# Altium PCB Tfinal3.PcbDoc (part 2 of 2)
Units mm, origin at the board's own origin, x right, y up, seen from the top; angles counter-clockwise.
Board outline 89.38 x 70.23 mm, 2 copper layers (Top Layer, Bottom Layer), stack 1.671 mm thick; 167 components, 142 nets, 545 pads, 132 vias.
Unrouted connection lines stored in the file: 102.
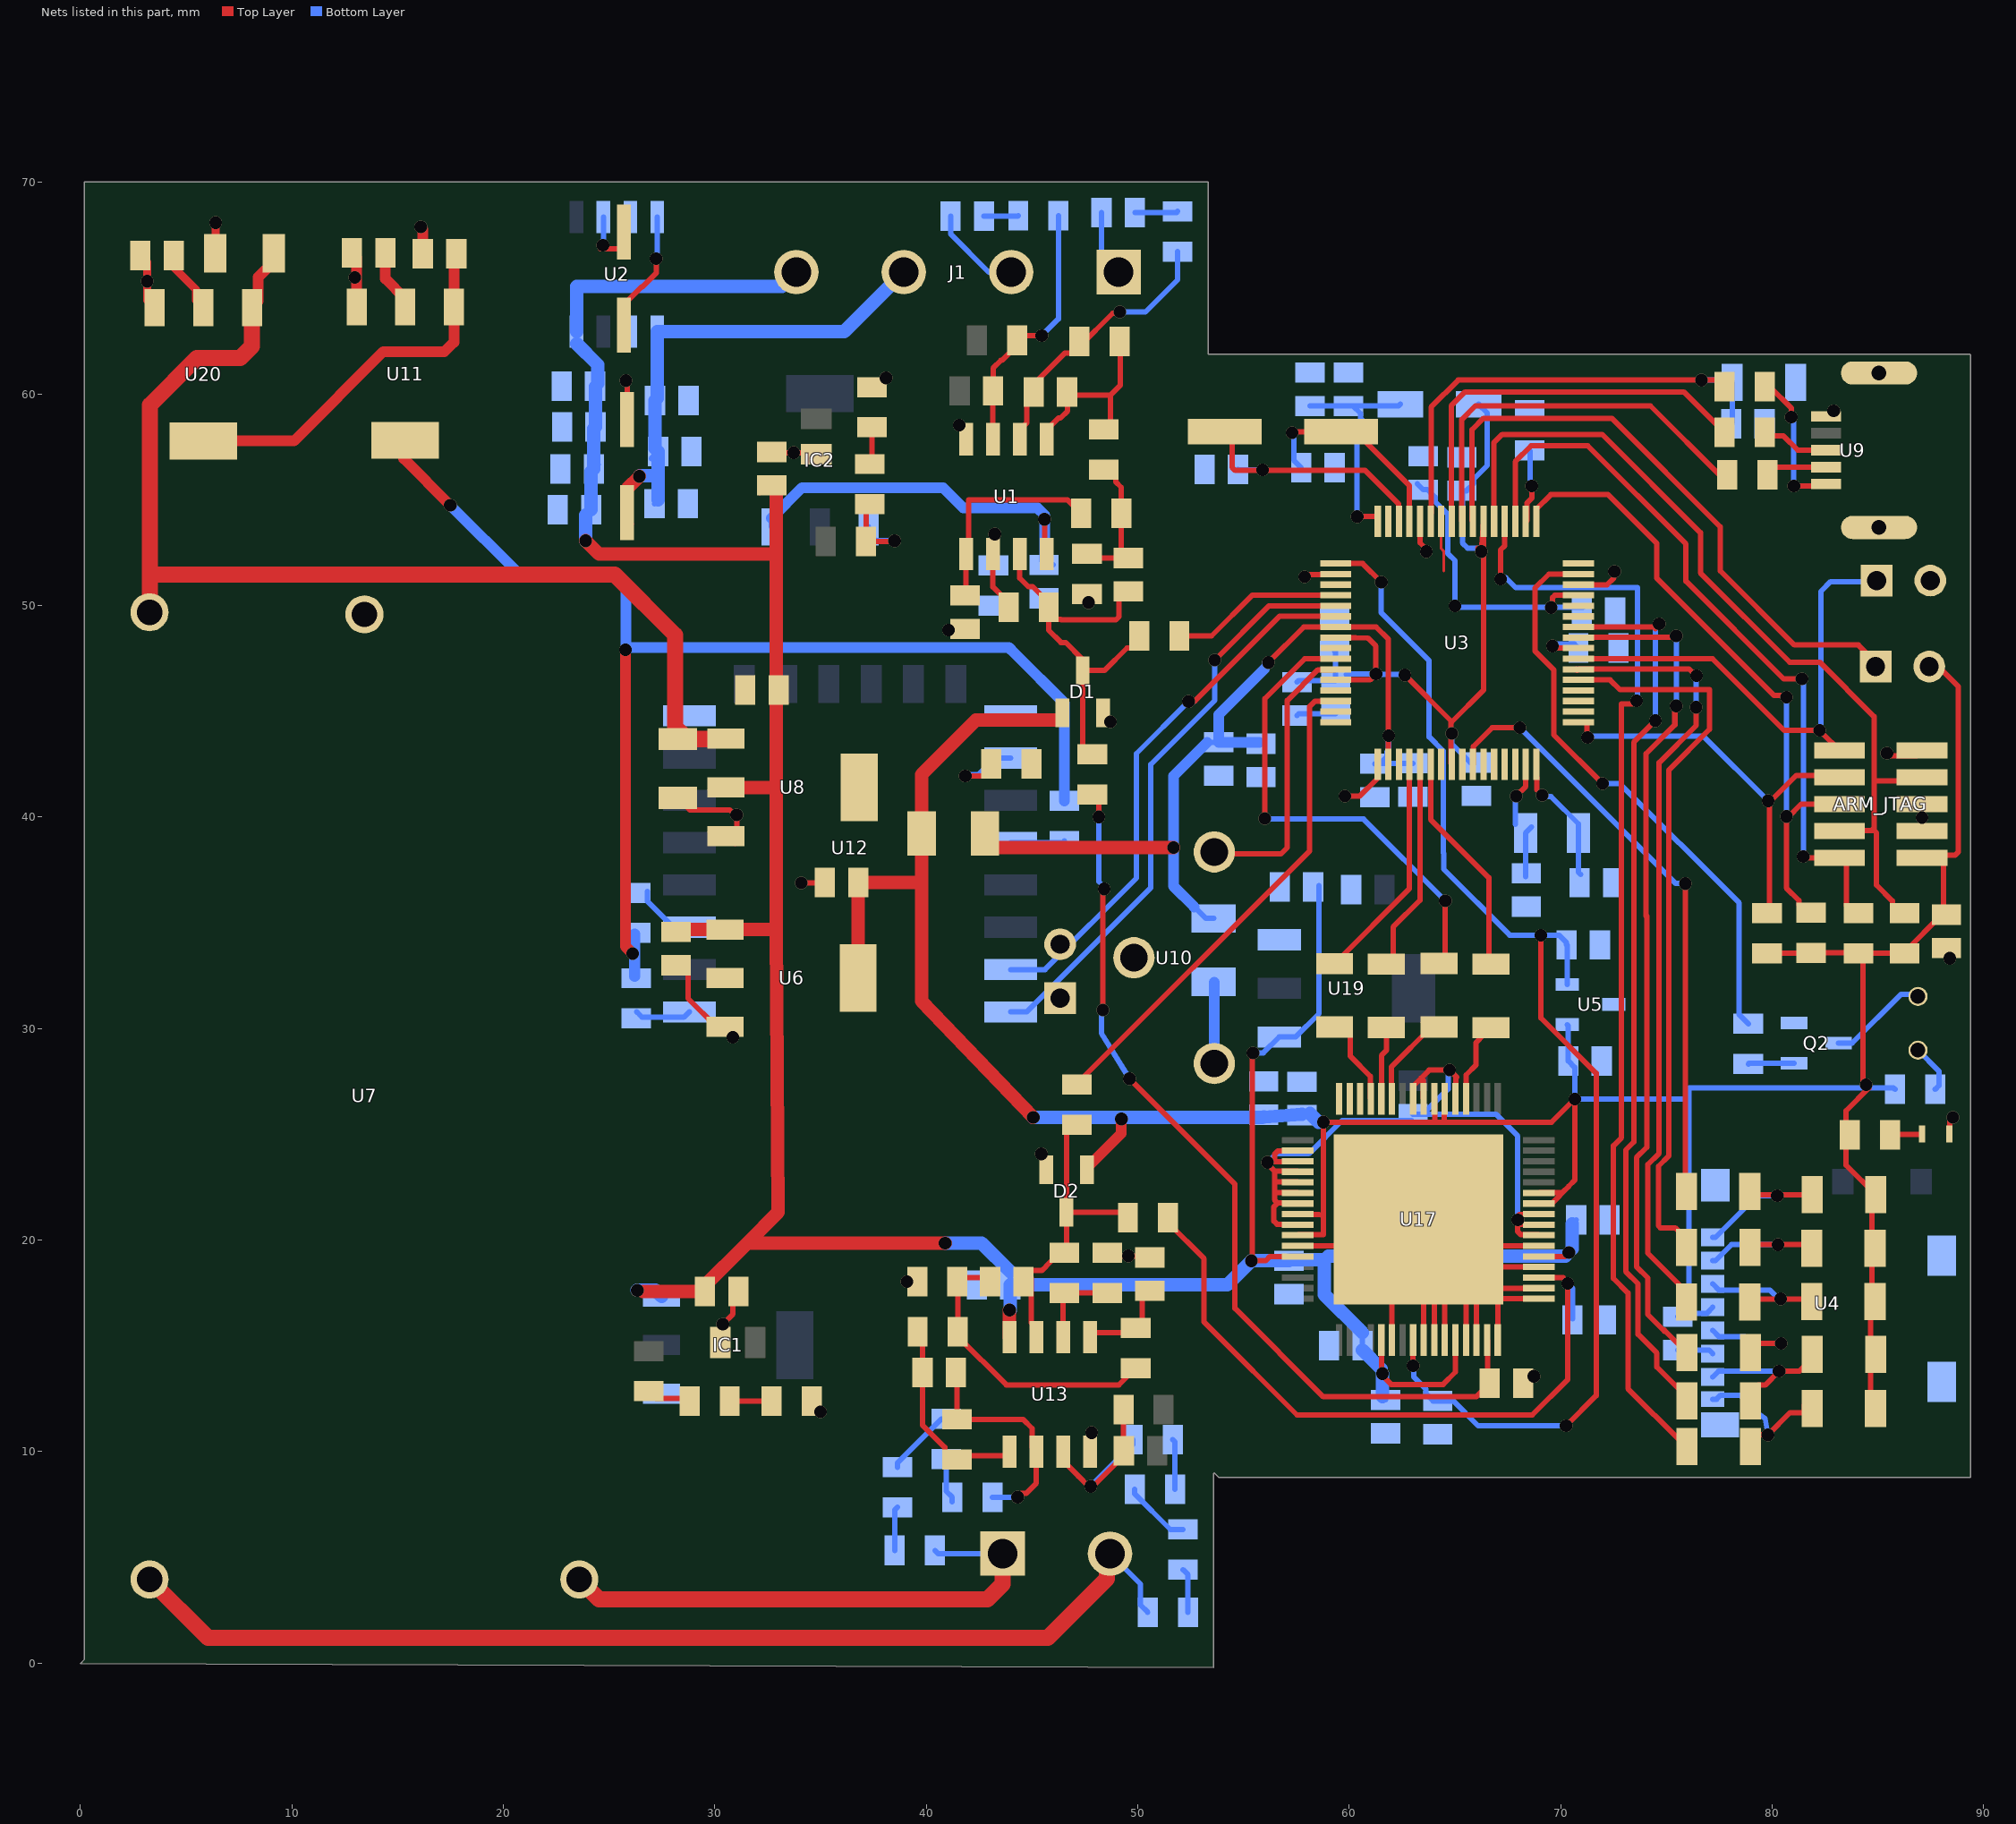
[diagram p2: the nets of this part, all layers, seen from the top]

## Via types
v1: diameter 0.6, hole 0.6, Top Layer to Bottom Layer, tented top, 122 vias
v2: diameter 0.66, hole 0.33, Top Layer to Bottom Layer, 9 vias
v3: diameter 0.6, hole 0.6, Top Layer to Bottom Layer, 1 vias

## Nets (pads, with @x,y where several pads share a name; then routed paths per layer and width w, separated by ;. In a path a pad name is that pad's centre, name@x,y a point inside that pad or via, vN(x,y) a via of type N, cw(c..) or ccw(c..) an arc to the next point about the centre after c; other vN are vias at no path point) (continued)
+3V3: ARM_JTAG.1 C14.1 C34.1 C37.1 C66.1 C67.1 C74.1 D1.1 D2.1 D4.2 D5.2 ERASE.2 R25.1 R26.2 R27.2 R28.2 R29.2 R51.1 R60.1 R61.1 R62.1 R63.1 R64.1 U4.4 U5.1 U6.2 U6.4 U10.3 U17.10 U17.11 U17.22 U17.23 U17.40 U17.42 | length 164.1
  Top Layer w0.254: C37.1@36.78,36.901 C37.1@36.784,36.906 ; 39.648,36.906 39.775,36.779 ; D1.1@46.213,44.581 46.411,44.779 D1.1@46.411,45.129 ; D2.1@47.594,23.324 D2.1@47.594,23.418 ; U17.42@57.571,20.23 57.594,20.253 58.776,20.253 58.776,21.158 ; U17.40@57.571,21.23 57.594,21.207 58.574,21.207 58.776,21.158 ; U17.23@64.021,26.68 64.044,26.657 64.044,25.578 ; U17.22@64.521,26.68 64.498,26.657 64.498,25.578 ; U17.10@68.371,21.73 U17.10@68.971,21.73 69.571,21.73 70.372,22.531 70.372,22.544 ; U17.11@68.971,22.23 68.994,22.253 70.082,22.253 70.372,22.544 ; R29.2@79.756,33.558 81.818,33.558 R28.2@81.839,33.579 84.054,33.579 R26.2@84.074,33.558 84.303,33.558 R27.2@86.258,33.558 86.258,33.621 88.025,35.387 C14.1@88.1,35.387 ; R26.2@84.303,33.553 84.303,27.483 v1(84.442,27.343) 84.582,27.203 83.49,26.111 83.49,24.968 83.49,23.549 R64.1@84.89,22.149 84.709,21.968 84.709,19.609 84.709,17.272 84.658,17.221 84.658,17.094 84.658,14.605 84.658,12.344 R63.1@84.531,12.217 ; ARM_JTAG.1@87.085,38.075 ARM_JTAG.1@87.147,38.136 ; ERASE.2@87.287,47.688 88.805,46.17 88.805,38.353 88.657,38.204 87.847,38.204 87.214,38.204 ARM_JTAG.1@87.147,38.136 ; C14.1@88.24,35.387 C14.1@88.1,35.387 ; 58.776,21.158 v1(58.776,25.578) 64.044,25.578 ; 64.044,25.578 64.498,25.578 ; 64.498,25.578 69.571,25.578 v1(70.663,26.67) 70.663,22.835 70.372,22.544 ; ARM_JTAG.1@87.147,38.136 87.847,38.136 88.1,37.883 C14.1@88.1,35.387
  Top Layer w0.508: D2.1@47.594,23.418 49.225,25.049 v1(49.225,25.73)
  Top Layer w0.635: U6.4@36.78,32.385 C37.1@36.78,36.901 ; C37.1@36.784,36.906 39.648,36.906 ; v1(45.06,25.806) 39.775,31.294 39.775,36.779 D4.2@39.775,39.218 39.775,42.01 42.346,44.581 D1.1@46.213,44.581
  Bottom Layer w0.254: D5.2@53.594,32.206 D5.2@53.619,32.18 ; C66.1@55.88,25.806 C66.1@55.965,25.813 ; C67.1@57.756,25.954 C67.1@58.141,25.984 ; v1@58.547,25.578 v1(58.776,25.578) ; U5.1@70.299,30.19 70.358,30.132 C34.1@70.358,28.473 70.663,28.169 v1@70.663,26.674 ; v1(70.663,26.67) v1@70.663,26.674 ; C74.1@75.54,16.383 C74.1@75.689,16.532 ; U4.4@77.191,16.83 76.893,16.532 C74.1@75.689,16.532 ; R25.1@85.806,27.127 85.73,27.203 84.582,27.203 76.069,27.203 76.069,26.674 ; v1@70.663,26.674 76.069,26.674 ; C74.1@75.689,16.532 76.069,16.913 76.069,26.674
  Bottom Layer w0.508: U10.3@53.619,28.35 D5.2@53.619,32.18
  Bottom Layer w0.635: v1(45.06,25.806) C66.1@55.88,25.806 ; C66.1@55.965,25.813 C67.1@57.756,25.954 ; C67.1@58.141,25.984 v1@58.547,25.578
+3V3_WIFI: C41.1 R52.2 R53.2 R54.1 U11.2 U11.4 U12.8 | length 64.3
  Top Layer w0.254: U11.4@15.291,57.009 16.092,57.81 U11.4@15.367,57.81 ; U11.2@15.367,64.11 U11.2@15.367,64.51 ; v1@26.035,33.63 v1@26.213,33.452
  Top Layer w0.508: C41.1@14.427,66.675 14.427,65.45 U11.2@15.367,64.51 ; U11.4@15.291,57.009 15.291,56.947 v1(17.501,54.737) ; v1(25.781,47.904) 25.781,33.884 v1@26.035,33.63
  Bottom Layer w0.254: R52.2@26.213,32.456 R52.2@26.289,32.38 ; R53.2@26.213,34.468 R53.2@26.264,34.519
  Bottom Layer w0.508: v1(17.501,54.737) 20.726,51.511 25.298,51.511 25.806,51.003 v1@25.806,47.93 ; R52.2@26.213,32.456 26.213,33.452 R53.2@26.213,34.468 ; R54.1@46.533,40.767 46.533,45.39 44.196,47.727 43.911,48.011 41.244,48.011 25.888,48.011 v1@25.806,47.93 ; v1@25.806,47.93 25.806,47.904 v1(25.781,47.904) v1@25.806,47.93
  other v1: 26.124,33.541
+5V: C4.1 C33.1 C36.1 C38.1 C45.1 C46.1 C49.1 C50.1 C51.1 C52.1 C61.1 C62.1 C63.1 C64.1 C65.1 IC1.3 IC2.3 J1.4 U1.8 U2.8 U6.1 U8.2 U8.4 U13.8 U17.5 U17.44 U17.53 U17.60 U19.1 | length 186.1
  Top Layer w0.254: C45.1@32.122,55.324 32.475,55.677 C45.1@32.69,55.677 C45.1@32.905,55.677 ; U1.8@45.593,52.976 v1(45.593,54.077) ; v1(55.448,28.854) 55.41,28.816 55.41,19.063 v1(55.372,19.025) 56.053,19.025 56.259,19.23 U17.44@57.571,19.23 ; U17.53@61.521,15.28 61.521,13.739 v1(61.57,13.691) 61.57,13.597 61.984,13.183 64.44,13.183 65.021,13.764 U17.60@65.021,15.28 ; U17.5@68.971,19.23 70.195,19.23 v1(70.38,19.416)
  Top Layer w0.635: v1(23.901,53.061) 24.536,52.426 32.868,52.426 32.905,52.388 ; v1@26.594,17.577 C33.1@29.54,17.577 ; C36.1@28.169,34.696 U6.1@29.875,34.696 ; C33.1@29.4,17.716 31.547,19.863 v1(40.894,19.863) ; U6.1@30.48,34.685 32.905,34.685 ; U8.2@30.53,41.402 32.905,41.402 ; 31.598,19.914 32.996,21.312 32.905,34.685 ; 32.905,34.54 32.905,34.685 ; C45.1@32.905,55.677 32.905,52.388 ; U13.8@43.937,15.423 v1(43.937,16.693) ; 32.905,34.685 32.905,41.402 ; 32.905,41.402 32.905,52.388
  Bottom Layer w0.254: U2.8@23.47,62.382 U2.8@23.47,62.948 ; C52.1@23.901,54.274 C52.1@24.155,54.528 ; C49.1@24.155,56.331 C49.1@24.282,56.458 C49.1@24.491,56.667 ; C50.1@24.282,58.358 C50.1@24.364,58.44 ; C51.1@24.364,60.35 C51.1@24.338,60.376 C51.1@24.46,60.498 ; IC2.3@32.676,53.721 IC2.3@32.676,54.121 ; J1.4@33.176,65.078 J1.4@33.858,65.761 J1.4@33.858,65.261 ; v1(43.937,16.693) v1@43.973,16.693 ; C46.1@43.973,17.882 C46.1@43.973,18.511 ; C4.1@45.568,51.918 C4.1@45.783,51.918 ; C4.1@45.593,52.108 C4.1@45.783,51.918 ; C4.1@45.999,51.918 C4.1@45.783,51.918 ; v1(55.448,28.854) 55.937,28.854 56.685,29.602 U19.1@56.693,29.602 57.466,29.602 58.572,30.709 C65.1@58.572,36.754 ; C62.1@57.15,19.025 C62.1@57.201,19.075 ; 58.826,19.075 59.004,19.253 ; C63.1@60.63,14.796 C63.1@60.63,15.011 C63.1@60.63,15.621 ; C64.1@61.57,12.598 C64.1@61.722,12.446 ; v1@70.217,19.253 v1(70.38,19.416) v1@70.543,19.579 ; C61.1@70.543,20.764 C61.1@70.734,20.955
  Bottom Layer w0.508: IC2.3@32.676,54.121 34.13,55.575 40.792,55.575 41.758,54.61 45.263,54.61 45.593,54.28 v1(45.593,54.077) C4.1@45.593,52.108
  Bottom Layer w0.635: U2.8@23.47,62.382 24.46,61.392 C51.1@24.46,60.498 ; U2.8@23.47,62.948 23.47,65.078 J1.4@33.176,65.078 ; v1(23.901,53.061) C52.1@23.901,54.274 ; C52.1@24.155,54.528 C49.1@24.155,56.331 ; C49.1@24.282,56.458 C50.1@24.282,58.358 ; C50.1@24.364,58.44 C51.1@24.364,60.35 ; v1(26.34,17.628) 27.192,17.628 IC1.3@27.482,17.337 ; v1(40.894,19.863) 42.621,19.863 C46.1@43.973,18.511 ; v1@43.973,16.693 C46.1@43.973,17.882 54.229,17.882 v1(55.372,19.025) C62.1@57.15,19.025 ; C62.1@57.201,19.075 58.826,19.075 58.826,17.424 C63.1@60.63,15.621 ; 59.004,19.253 v1@70.217,19.253 ; C63.1@60.63,14.796 v1@61.503,13.923 ; C64.1@61.57,12.598 v1(61.57,13.691) ; v1@70.543,19.579 C61.1@70.543,20.764
"+5V wifi": C40.1 C70.1 U11.1 U20.2 U20.4 | length 20.9
  Top Layer w0.254: C70.1@4.42,65.989 C70.1@4.42,66.548 ; U20.2@5.469,64.432 U20.2@5.817,64.084
  Top Layer w0.381: C70.1@4.42,65.989 5.469,64.94 U20.2@5.469,64.432
  Top Layer w0.508: U20.4@5.817,57.784 10.108,57.784 14.326,62.001 17.221,62.001 17.667,62.447 U11.1@17.667,64.11 C40.1@17.667,66.548
+12V: C39.1 C71.1 U7.3 U8.1 U20.1 | length 53.9
  Top Layer w0.254: 3.302,51.486 3.327,51.46 ; U20.1@8.117,64.084 U20.1@8.411,64.378 ; C71.1@9.155,66.265 C71.1@9.155,66.65 ; U8.1@30.237,43.688 U8.1@30.454,43.905
  Top Layer w0.4: U7.3@3.277,49.681 U7.3@3.302,49.657
  Top Layer w0.508: U20.1@8.411,64.378 8.411,65.52 C71.1@9.155,66.265
  Top Layer w0.762: U7.3@3.302,49.657 3.302,51.486 3.302,59.487 5.512,61.697 7.569,61.697 8.117,62.244 U20.1@8.117,64.084 ; 3.327,51.46 25.273,51.46 28.118,48.616 28.118,44.272 C39.1@28.524,43.866 ; C39.1@28.245,43.688 U8.1@30.237,43.688
-5V: C54.1 C55.1 C56.1 C57.1 J1.3 U2.5 | length 25.5
  Top Layer w0.254: C57.1@25.857,55.524 C57.1@25.857,54.401 25.857,54.045 C57.1@26.055,53.847
  Top Layer w0.635: C57.1@25.857,55.524 v1(26.441,56.109)
  Bottom Layer w0.254: v1(26.441,56.109) v1@26.464,56.131 ; C54.1@26.998,56.95 C54.1@27.195,57.147 ; C56.1@27.153,54.813 C56.1@27.325,54.986 ; C54.1@27.178,57.424 27.187,57.269 C54.1@27.195,57.147 ; C55.1@27.178,59.69 C55.1@27.28,59.792 ; C54.1@27.325,57.277 C54.1@27.195,57.147 ; J1.3@38.938,65.405 J1.3@38.938,65.761
  Bottom Layer w0.635: v1@26.464,56.131 27.325,56.131 ; C54.1@27.178,57.424 C55.1@27.178,59.69 ; C55.1@27.28,59.792 U2.5@27.28,62.948 36.126,62.948 J1.3@38.938,65.761 ; C56.1@27.325,54.986 27.325,56.131 ; C54.1@27.325,57.277 27.325,56.131
AC220V: J2.1 R11.2 U7.2 | length 25.7
  Top Layer w0.762: U7.2@23.597,3.961 24.535,3.023 42.901,3.023 43.612,3.734 J2.1@43.612,5.182
  Bottom Layer w0.254: R11.2@40.411,5.334 40.564,5.182 J2.1@43.612,5.182 J2.1@43.401,4.971
AD0: U3.9
AD3: U3.16
AD4: U3.3
AD5: 
ADC0: U3.11 U10.1 | length 13
  Top Layer w0.254: U10.1@54.077,38.252 56.769,38.252 57.074,38.557 57.074,45.515 58.52,46.962 59.339,46.962 U3.11@59.362,46.985
ADC1: "R0 ADC1.1" "R0 ADC1.2" "R0 ARM1.1" "R0 ARM1.2" C1.2 C44.1 D1.3 R6.2 U1.7 U3.4 U17.63 | length 72
  Top Layer w0.254: U1.7@44.425,52.437 44.425,51.294 44.829,50.889 45.038,50.889 R6.2@45.791,50.136 ; R6.2@46.139,50.484 R6.2@45.791,50.136 ; D1.3@47.371,47.129 47.371,47.479 46.597,48.253 46.368,48.253 45.791,48.83 R6.2@45.791,49.686 ; 47.854,41.072 47.861,41.072 48.2,40.733 ; 47.854,42.972 47.745,42.972 47.397,43.32 D1.3@47.397,46.926 48.429,46.926 49.495,47.992 49.72,47.992 50.068,48.34 50.068,48.565 50.068,48.79 49.72,49.138 ; v1(48.158,40.005) 48.158,40.691 48.2,40.733 ; v1@48.285,30.81 v1(48.349,30.874) 48.349,36.538 v1(48.412,36.601) ; C1.2@49.555,50.668 49.473,50.668 49.12,50.315 49.12,49.476 48.971,49.327 46.375,49.327 46.364,49.338 46.139,49.338 R6.2@45.791,49.686 ; v1(49.606,27.635) 54.597,22.644 54.597,16.777 58.776,12.598 66.009,12.598 C44.1@66.644,13.233 66.544,13.333 U17.63@66.544,15.257 ; 51.968,48.565 53.492,48.565 55.412,50.485 U3.4@59.362,50.485 ; R6.2@45.791,49.686 R6.2@45.791,49.911 R6.2@45.791,50.136 ; 48.2,40.733 48.209,40.742 48.209,40.724 48.2,40.733
  Bottom Layer w0.254: v1(48.158,40.005) 48.158,36.949 48.412,36.695 v1(48.412,36.601) ; v1@48.285,30.81 48.285,29.769 v1(49.606,27.635)
ADC2: "R0 ADC2.1" "R0 ADC2.2" "R0 ARM2.1" "R0 ARM2.2" C10.2 C43.1 D2.3 R21.2 U3.14 U13.7 U17.3 | length 71.8
  Top Layer w0.254: U13.7@45.207,15.423 45.207,15.86 44.976,16.092 44.976,18.219 44.623,18.572 45.484,18.572 45.663,18.752 45.663,18.766 R21.2@46.303,19.406 ; R21.2@46.528,19.406 46.634,19.512 D2.3@46.634,21.324 ; 46.838,25.43 46.634,25.227 D2.3@46.634,21.324 ; 46.838,27.33 47.063,27.33 58.115,38.383 58.115,45.212 58.369,45.466 59.344,45.466 U3.14@59.362,45.485 ; 49.535,21.057 49.267,21.324 D2.3@46.634,21.324 ; 51.435,21.057 51.435,20.832 53.14,19.126 53.14,16.125 53.442,15.824 57.531,11.735 68.656,11.735 70.336,13.415 70.336,18.005 70.111,18.23 U17.3@68.971,18.23
  Bottom Layer w0.254: v1(70.333,17.958) 70.561,17.729 C43.1@70.561,16.287
"ADC READY": R57.2 U3.20 | length 10.9
  Top Layer w0.254: R57.2@59.309,33.074 62.85,36.615 U3.20@62.85,42.497
ADVREF: C35.1 C60.1 U3.1 U5.2 U17.56 | length 62
  Top Layer w0.254: U3.1@59.362,51.985 60.639,51.985 v1(61.519,51.105) ; U17.56@63.021,15.28 v1@63.021,14.068 ; v1@63.058,14.031 v1@63.021,14.068 ; v1(69.063,34.417) 69.063,30.505 71.679,27.889 71.679,12.649 v1(70.256,11.227) ; v1@63.021,14.068 62.992,14.097 63.021,13.889 v1@63.021,14.068
  Bottom Layer w0.254: v1(61.519,51.105) 61.519,49.657 63.779,47.396 63.779,43.79 64.44,43.129 64.44,38.303 64.465,38.278 64.465,37.541 67.589,34.417 v1(69.063,34.417) 69.924,34.417 70.277,34.064 C35.1@70.277,33.96 70.299,33.937 U5.2@70.299,32.09 ; v1@62.992,14.097 63.058,14.031 63.058,13.528 63.618,12.968 63.618,12.753 63.971,12.4 C60.1@64.186,12.4 64.922,12.4 66.096,11.227 v1(70.256,11.227)
  other v1: 63.025,14.064
AGND: C4.2 C9.2 C32.2 C33.2 C36.2 C37.2 C38.2 C39.2 C40.2 C41.2 C42.2 C43.2 C44.2 C45.2 C46.2 C48.2 C49.2 C50.2 C51.2 C52.2 C54.2 C55.2 C56.2 C57.2 C60.2 C61.2 C62.2 C63.2 C64.2 C65.2 C66.2 C67.2 C69.2 C70.2 C71.2 D1.2 D2.2 R8.2 R9.2 R23.2 R24.2 R40.1 R90.2 U1.4 U2.3 U2.6 U6.3 U7.4 U8.3 U11.3 U13.4 U17.1 U17.2 U17.4 U17.6 U17.43 U17.54 U17.57 U17.58 U17.59 U17.61 U17.62 U17.64 U17.65 U19.3 U20.3 | length 80.8
  Top Layer w0.254: C70.2@2.84,66.548 2.916,66.624 C70.2@3.144,66.396 ; C71.2@6.045,66.319 C71.2@6.121,66.243 ; C71.2@6.375,66.65 C71.2@6.401,66.675 ; C41.2@12.847,66.675 C41.2@13.067,66.455 ; v1(16.104,67.894) v1@16.2,67.798 ; v1(25.806,60.63) 25.857,60.579 C57.2@25.857,58.801 ; C36.2@28.169,32.995 28.384,32.995 28.737,32.642 28.737,31.428 30.08,30.085 U6.3@30.48,30.085 ; C39.2@28.245,40.908 28.818,40.335 30.717,40.335 30.945,40.107 v1(31.039,40.107) 31.039,38.83 30.963,38.754 30.615,39.102 U8.3@30.53,39.102 ; v1(30.378,16.027) 30.86,16.509 30.86,17.317 C33.2@31.12,17.577 ; C45.2@32.69,57.257 32.72,57.226 v1(33.731,57.226) 34.73,57.226 C42.2@34.798,57.158 ; v1(34.087,36.881) 35.179,36.881 C37.2@35.204,36.906 ; R24.2@48.565,19.35 48.661,19.253 v1(49.555,19.253) 50.5,19.253 C48.2@50.571,19.182 ; U17.43@57.571,19.73 U17.65@62.668,19.73 ; U17.54@62.021,15.28 62.021,19.084 U17.65@62.668,19.73 ; U17.57@63.521,15.28 U17.65@63.521,20.584 ; U17.65@63.595,21.304 U17.65@65.168,19.73 ; U17.58@64.021,15.28 U17.65@64.021,20.23 ; U17.59@64.521,15.28 U17.65@64.521,19.73 ; U17.61@65.521,15.28 U17.65@65.521,18.73 ; U17.62@66.021,15.28 U17.65@66.021,18.23 ; U17.64@67.021,15.28 U17.65@67.021,17.23 ; U17.1@68.971,17.23 U17.65@67.021,17.23 ; U17.2@68.971,17.73 U17.65@66.521,17.73 ; U17.4@68.971,18.73 66.168,18.73 U17.65@65.168,19.73 ; U17.6@68.971,19.73 U17.65@65.168,19.73 ; U17.65@62.668,19.73 U17.65@63.521,20.584 ; U17.65@63.521,20.584 63.595,20.657 U17.65@64.021,20.23 ; U17.65@64.021,20.23 U17.65@64.521,19.73 ; U17.65@64.521,19.73 U17.65@65.521,18.73 ; U17.65@65.521,18.73 U17.65@66.021,18.23 ; U17.65@66.021,18.23 U17.65@66.521,17.73 ; U17.65@66.521,17.73 U17.65@67.021,17.23
  Top Layer w0.381: C70.2@2.84,66.548 3.169,66.219 3.169,64.432 U20.3@3.517,64.084 ; C71.2@6.401,66.675 v1(6.401,68.097)
  Top Layer w0.508: U11.3@13.067,64.11 C41.2@13.067,66.455 ; C40.2@16.2,66.624 v1@16.2,67.798
  other v1: 47.828,10.897 35.001,11.887 68.732,13.564 39.091,18.034 45.441,24.079 30.861,29.591 48.717,44.501 41.046,48.844 47.676,50.14 41.554,58.522 38.1,60.757 3.169,65.326 12.979,65.507
"AGND wifi": 
"ARM LED1": U3.48
"ARM LED2": R34.1 U3.47 | length 27.6
  Top Layer w0.254: U3.47@70.838,51.485 69.442,51.485 68.783,50.825 68.783,47.854 69.672,46.965 69.672,43.891 v1(71.984,41.58)
  Bottom Layer w0.254: v1(71.984,41.58) 72.796,41.58 78.435,35.941 78.435,30.658 R34.1@78.867,30.226
DGND: ARM_JTAG.3 ARM_JTAG.5 ARM_JTAG.9 C14.2 C15.2 C16.2 C17.2 C18.2 C19.2 C20.2 C21.2 C22.2 C23.2 C24.2 C25.2 C26.2 C27.2 C28.2 C29.2 C30.2 C31.2 C34.2 C35.2 C68.2 C74.2 D7.K Q2.2 R31.1 R32.1 R91.2 RESET.2 SS.2 U3.2 U3.17 U3.46 U3.60 U4.6 U4.9 U4.10 U4.11 U4.14 U5.3 U9.5 U9.MH1 U9.MH2 U10.2 U17.7 U17.8 U17.9 U17.21 U17.24 U17.25 U17.30 U17.31 U17.32 U17.34 U17.35 U17.36 U17.37 U17.38 U17.39 U17.41 | length 55.1
  Top Layer w0.254: 56.464,22.809 56.464,22.356 ; 56.464,23.266 56.032,23.698 56.464,23.698 ; U17.41@57.571,20.73 57.548,20.753 56.588,20.753 56.439,20.902 56.439,21.579 56.613,21.753 ; U17.39@57.571,21.73 57.548,21.753 56.613,21.753 ; U17.38@57.571,22.23 57.548,22.253 56.567,22.253 56.464,22.356 ; U17.37@57.571,22.73 57.548,22.753 56.52,22.753 56.477,22.796 56.477,23.253 57.548,23.253 U17.36@57.571,23.23 ; U17.35@57.571,23.73 57.548,23.707 56.473,23.707 56.464,23.698 ; U17.34@57.571,24.23 57.548,24.207 56.614,24.207 56.464,24.057 56.464,23.698 ; v1(57.887,51.359) 57.989,51.462 59.339,51.462 U3.2@59.362,51.485 ; v1(59.792,40.996) 60.503,40.996 61.319,41.812 61.319,42.407 61.341,42.398 61.35,42.407 U3.17@61.35,42.497 ; U17.25@63.021,26.68 63.021,27.28 63.402,27.661 ; U3.60@63.35,53.973 63.35,52.963 63.652,52.661 v1(63.652,52.553) ; U17.24@63.521,26.68 63.498,26.703 63.498,27.565 63.402,27.661 ; U17.21@65.021,26.68 65.044,26.703 65.044,27.681 65.075,27.711 v1(64.745,28.042) 63.783,28.042 63.402,27.661 ; U17.7@68.971,20.23 68.948,20.253 68.119,20.253 67.97,20.402 v1@67.97,20.769 ; U17.8@68.971,20.73 68.948,20.753 67.986,20.753 v1@67.97,20.769 ; U17.9@68.971,21.23 68.948,21.207 68.041,21.207 67.97,21.136 v1(67.97,20.953) v1@67.97,20.769 ; U3.46@70.838,50.985 72.194,50.985 72.517,51.308 ; v1(85.427,43.017) 85.542,42.902 86.832,42.902 ARM_JTAG.9@87.085,43.155 ; ARM_JTAG.3@87.085,39.345 ARM_JTAG.5@87.085,40.615 ; D7.K@88.382,25.019 88.392,25.029 v1@88.392,25.603 ; 56.464,22.356 56.464,21.902 56.613,21.753
  Bottom Layer w0.254: v1(56.134,23.673) 56.54,24.079 58.09,24.079 59.665,25.654 C68.2@62.941,25.654 ; C25.2@57.531,44.8 57.607,44.877 C26.2@59.36,44.877 ; C68.2@63.021,25.954 C68.2@63.495,25.954 ; v1(64.745,28.042) 64.678,27.975 64.678,27.137 C68.2@63.495,25.954 ; v1(67.97,20.953) 67.97,24.917 66.934,25.954 C68.2@63.495,25.954 ; C74.2@75.54,14.803 77.018,14.803 U4.6@77.191,14.63
  other v1: 88.544,25.806 88.392,33.325 87.085,39.98 72.542,51.613 82.906,59.207
ERASE: ERASE.1 U3.55 | length 29.7
  Top Layer w0.254: U3.55@65.85,53.973 65.805,54.018 65.805,58.312 66.345,58.852 72.415,58.852 77.546,53.721 77.546,51.638 81.051,48.133 84.074,48.133 ERASE.1@84.887,47.32
GND: 
GND_WIFI: R55.1 U12.15
NetC1_23: C1.1 R3.2 R4.2 R8.1 | length 6.8
  Top Layer w0.254: R8.1@47.6,52.446 47.798,52.248 C1.1@49.555,52.248 49.22,52.583 R4.2@49.22,54.356 49.22,55.585 48.96,55.845 48.96,56.07 48.612,56.418 R3.2@48.387,56.418
NetC2_22: C2.2 R1.1 R3.1 U1.1 | length 9.2
  Top Layer w0.254: U1.1@45.695,57.861 45.695,58.299 46.252,58.856 46.343,58.856 46.685,59.198 46.685,60.274 47.01,59.949 48.717,59.949 ; R3.1@48.387,58.318 48.717,58.649 48.717,59.949 ; R1.1@49.169,62.154 49.169,60.401 48.717,59.949
NetC2_23: C2.1 R1.2 R2.2 U1.2 | length 13.3
  Top Layer w0.254: U1.2@44.425,57.861 44.425,58.299 44.752,58.626 44.752,59.921 45.105,60.274 45.105,60.489 46.545,61.929 47.269,61.929 47.269,62.154 47.269,62.266 48.818,63.815 v1@49.083,63.815
  Bottom Layer w0.254: v1@49.083,63.815 v1(49.149,63.881) 50.368,63.881 51.892,65.405 R2.2@51.892,66.731
NetC3_22: C3.2 R2.1 | length 2
  Bottom Layer w0.254: C3.2@49.865,68.58 51.841,68.58 R2.1@51.892,68.631
NetC3_23: C3.1 J1.1 | length 3.2
  Bottom Layer w0.254: C3.1@48.285,68.58 48.285,66.573 J1.1@49.098,65.761
NetC7_22: C7.1 J1.2 | length 4.5
  Bottom Layer w0.254: C7.1@41.148,68.402 41.148,67.564 42.951,65.761 J1.2@44.018,65.761
NetC7_23: C7.2 R5.1 | length 1.6
  Bottom Layer w0.254: C7.2@42.728,68.402 44.328,68.402 R5.1@44.353,68.428
NetC8_22: C8.1 R5.2 R7.1 U1.3 | length 12.4
  Top Layer w0.254: U1.3@43.155,57.861 43.155,60.142 C8.1@43.16,60.147 43.16,61.223 43.529,61.593 43.58,61.593 44.298,62.31 R7.1@44.298,62.535 44.526,62.763 v1(45.466,62.763)
  Bottom Layer w0.254: v1(45.466,62.763) 46.253,63.551 R5.2@46.253,68.428
NetC9_22: C9.1 R4.1 U1.5 | length 10.2
  Top Layer w0.254: C9.1@41.834,50.475 41.885,50.526 U1.5@41.885,52.437 42.012,52.564 42.012,54.991 46.685,54.991 R4.1@47.32,54.356
NetC10_23: C10.1 R15.2 R16.2 R23.1 | length 14.1
  Top Layer w0.254: C10.1@43.043,18.572 42.69,18.219 41.654,18.219 R23.1@41.473,18.039 41.494,18.019 R15.2@41.494,15.677 41.494,15.452 43.788,13.157 49.114,13.157 R16.2@49.906,13.95
NetC11_22: C11.2 R10.1 R15.1 U13.1 | length 9.6
  Top Layer w0.254: R15.1@39.594,15.677 39.822,15.448 C11.2@39.822,13.746 39.822,11.257 40.875,10.205 40.875,9.98 41.223,9.632 R10.1@41.448,9.632 41.617,9.801 43.739,9.801 U13.1@43.937,9.999
NetC11_23: C11.1 R10.2 R14.1 U13.2 | length 11.1
  Top Layer w0.254: C11.1@41.402,13.746 41.448,13.701 R10.2@41.448,11.532 44.577,11.532 45.009,11.1 45.009,10.197 U13.2@45.207,9.999 45.207,8.509 44.724,8.026 44.475,8.026 v3(44.323,7.849)
  Bottom Layer w0.254: R14.1@43.129,7.849 v3(44.323,7.849) v3@44.425,7.747
NetC15_22: C15.1 U3.31 Y1.2 | length 5.8
  Top Layer w0.254: v1@67.865,41.123 v1(67.894,40.996) 68.35,41.452 U3.31@68.35,42.497
  Bottom Layer w0.254: Y1.2@67.865,39.661 v1@67.865,41.123 ; C15.1@68.337,37.176 68.337,37.343 Y1.2@68.337,39.244 Y1.2@68.627,39.534
NetC16_23: C16.1 C17.1 C18.1 C19.1 C20.1 C21.1 D4.1 D5.1 U3.7 U3.18 U3.45 U3.58 | length 60.6
  Top Layer w0.127: U3.58@64.35,53.973 64.35,52.693 64.465,52.578 64.465,51.638
  Top Layer w0.254: v1(56.172,47.307) 57.849,48.985 U3.7@59.362,48.985 61.277,48.985 61.85,48.411 U3.18@61.85,42.497 ; v1@69.611,49.977 69.611,50.376 69.72,50.485 U3.45@70.838,50.485
  Top Layer w0.635: D4.1@42.75,38.532 42.775,38.557 v1(51.689,38.557)
  Bottom Layer w0.254: D5.1@52.671,35.754 53.219,35.206 D5.1@53.594,35.206 ; C16.1@53.289,43.536 C16.1@53.823,43.536 ; C17.1@55.758,43.536 C17.1@55.829,43.465 C17.1@55.994,43.63 ; 55.994,47.003 55.994,47.307 v1(56.172,47.307) ; C20.1@61.214,42.52 61.429,42.52 C20.1@61.454,42.545 ; C20.1@61.85,42.497 61.85,42.508 C20.1@61.851,42.545 ; C21.1@63.017,42.545 C20.1@61.851,42.545 ; C19.1@63.218,55.755 C19.1@63.5,55.474 63.715,55.474 64.068,55.121 64.068,54.906 64.668,54.305 64.668,52.451 64.999,52.121 v1(64.999,49.987) 65.075,49.911 v1(69.545,49.911) ; v1@69.611,49.977 v1(69.545,49.911) ; C18.1@71.044,49.911 v1(69.545,49.911) ; C20.1@61.454,42.545 C20.1@61.851,42.545 ; C20.1@61.454,42.545 61.782,42.873 61.782,43.088 61.854,43.159 61.854,43.82 v1(61.874,43.84) C20.1@61.851,42.545
  Bottom Layer w0.508: D5.1@52.671,35.754 51.689,36.736 v1(51.689,38.557) 51.689,41.935 C16.1@53.289,43.536 ; C17.1@55.758,43.536 C16.1@53.823,43.536 53.823,44.831 55.994,47.003
NetC22_22: C22.1 U3.32 Y1.1 | length 6.1
  Top Layer w0.254: U3.32@68.859,42.164 68.859,41.9 68.873,41.886 68.873,41.289 v1(69.127,41.035)
  Bottom Layer w0.254: v1(69.127,41.035) 69.063,40.97 69.545,40.97 70.837,39.679 Y1.1@70.837,39.244 70.837,37.39 C22.1@70.938,37.288
NetC24_23: C24.1 C25.1 C26.1 C27.1 C28.1 L1.1 U3.8 U3.12 U3.24 U3.54 | length 38.5
  Top Layer w0.254: U3.12@59.362,46.485 60.983,46.485 v1(61.265,46.767) 61.265,48.082 60.879,48.468 60.853,48.468 60.297,48.477 60.289,48.485 U3.8@59.362,48.485 ; v1(62.636,46.716) 64.85,44.502 ; U3.24@64.805,42.542 64.805,44.457 64.85,44.502 ; v1@66.075,52.72 v1(66.243,52.553) U3.54@66.35,53.973 66.35,46.792 66.345,46.787 66.345,45.997 64.85,44.502
  Bottom Layer w0.254: C25.1@57.531,46.38 57.607,46.457 C26.1@59.36,46.457 59.36,47.798 C24.1@59.309,47.848 ; C26.1@59.868,46.736 59.898,46.767 v1(61.265,46.767) 61.29,46.741 62.611,46.741 v1(62.636,46.716) ; v1(64.85,43.954) 64.85,43.452 C27.1@65.721,42.582 ; C28.1@65.329,55.423 C28.1@65.354,55.423 ; L1.1@66.116,59.512 66.523,59.106 66.523,56.617 65.897,55.991 65.897,55.776 65.544,55.423 C28.1@65.354,55.423 ; v1(66.243,52.553) 66.075,52.72 65.593,52.72 65.354,52.959 C28.1@65.354,55.423
NetC29_23: C29.1 C30.1 L1.2 U3.64 | length 10.9
  Top Layer w0.254: v1(60.376,54.204) U3.64@61.341,54.204 ; U3.64@61.319,53.973 U3.64@61.35,53.973
  Bottom Layer w0.254: C30.1@58.141,59.436 58.146,59.431 C29.1@59.969,59.431 C29.1@60.184,59.431 ; v1(60.376,54.204) 60.376,58.262 60.757,58.643 60.537,58.863 60.537,59.078 C29.1@60.184,59.431 ; L1.2@62.416,59.512 62.335,59.431 C29.1@60.184,59.431
NetC32_22: 
NetC42_22: 
NetC47_22: C47.2 R20.1 R22.1 U13.3 | length 9.4
  Top Layer w0.254: U13.3@46.477,9.999 46.477,9.561 47.194,8.844 47.194,8.838 v1@47.676,8.357 ; v1@47.947,8.423 49.347,9.823 C47.2@49.347,10.038 49.327,10.058 R22.1@49.327,11.994
  Bottom Layer w0.254: v1@47.676,8.357 v1(47.774,8.357) 49.759,10.341 R20.1@49.759,10.566
NetC48_22: C48.1 R16.1 U13.5 | length 4.4
  Top Layer w0.254: U13.5@47.747,15.423 47.945,15.621 49.677,15.621 R16.1@49.906,15.85 50.218,16.162 50.218,17.249 C48.1@50.571,17.602
NetC53_24: C53.2 U2.4 | length 5.8
  Top Layer w0.254: C53.2@25.705,63.256 25.705,64.231 26.546,65.072 26.586,65.072 27.229,65.715 v1(27.229,66.396)
  Bottom Layer w0.254: v1(27.229,66.396) 27.28,66.446 U2.4@27.28,68.37
NetC53_25: C53.1 U2.2 | length 3.4
  Top Layer w0.254: v1@24.74,67.056 24.587,66.853 25.507,66.853 25.705,67.051 C53.1@25.705,67.656
  Bottom Layer w0.254: v1(24.714,67.031) 24.74,67.056 U2.2@24.74,68.37
NetD3_1: D6.K Q2.3 | length 4.6
  Bottom Layer w0.254: Q2.3@83.134,29.312 83.782,29.312 86.081,31.61 D6.K@86.804,31.61
NetD3_2: D6.A R25.2 | length 2.3
  Bottom Layer w0.254: D6.A@86.893,28.981 87.884,27.991 87.884,27.305 R25.2@87.706,27.127
NetD5_2: 
NetD6_1: 
NetD6_2: 
NetD7_2: D7.A R51.2 | length 1.5
  Top Layer w0.254: R51.2@85.568,24.968 85.595,24.996 87.059,24.996 D7.A@87.082,25.019
NetIC1_1: IC1.1 R38.1 R39.2 | length 2.1
  Top Layer w0.254: R38.1@26.873,12.857 27.221,12.509 28.694,12.509 R39.2@28.809,12.395
NetIC2_1: IC2.1 R35.2@37.155,53.035 R36.1 | length 4.9
  Top Layer w0.254: R36.1@37.338,54.788 37.155,54.605 R35.2@37.155,53.035 38.481,53.035 v1(38.506,53.061)
  Bottom Layer w0.254: IC2.1@37.276,53.721 37.276,53.409 37.624,53.061 v1(38.506,53.061)
NetJ2_1: 
NetJ2_2: 
NetQ1_1: Q2.1 R34.2 | length 2.2
  Bottom Layer w0.254: R34.2@78.867,28.326 78.898,28.357 Q2.1@81.034,28.357
NetQ2_1: 
NetR6_1: R6.1 R9.1 U1.6 | length 4.5
  Top Layer w0.254: U1.6@43.155,52.437 43.155,50.873 43.891,50.136 R6.1@43.891,49.911
  Bottom Layer w0.254: v1@43.155,53.289 v1(43.243,53.378) 43.243,51.956 R9.1@43.18,51.892
NetR11_1: R11.1 R12.2 | length 2.1
  Bottom Layer w0.254: R11.1@38.511,5.334 38.511,7.244 R12.2@38.633,7.366
NetR12_1: R12.1 R13.2 | length 3.4
  Bottom Layer w0.254: R12.1@38.633,9.266 38.633,9.466 40.72,11.552 R13.2@40.945,11.552
NetR13_1: R13.1 R14.2 | length 2.1
  Bottom Layer w0.254: R13.1@40.945,9.652 40.945,8.133 R14.2@41.229,7.849 R14.2@41.229,7.624
NetR17_1: R17.1 R18.2 | length 2.1
  Bottom Layer w0.254: R18.2@52.146,4.42 52.375,4.191 R17.1@52.375,2.413
NetR18_1: R18.1 R19.2 | length 3.2
  Bottom Layer w0.254: R19.2@49.86,8.23 49.86,8.005 51.545,6.32 R18.1@52.146,6.32
NetR19_1: R19.1 R20.2 | length 2.4
  Bottom Layer w0.254: R20.2@51.659,10.566 51.76,10.465 R19.1@51.76,8.23
NetR21_1: R21.1 R24.1 U13.6 | length 4.2
  Top Layer w0.254: U13.6@46.477,15.423 46.477,17.455 R21.1@46.528,17.506 48.509,17.506 R24.1@48.565,17.45
NetR31_2: R31.2 U3.50 | length 3.5
  Top Layer w0.254: U3.50@68.35,53.973 68.395,54.018 68.395,54.836 68.631,55.072 v1(68.631,55.651)
  Bottom Layer w0.254: R31.2@68.529,57.328 68.555,57.302 68.555,55.728 v1(68.631,55.651)
NetR32_2: R32.2 U3.40 | length 2.8
  Top Layer w0.254: v1@69.716,47.985 U3.40@70.838,47.985
  Bottom Layer w0.254: v1@69.716,47.985 69.516,48.185 70.638,48.185 R32.2@70.838,47.985
  other v1: 69.616,48.085
NetR35_1: R35.1@79.654,60.35 U9.1 | length 6.5
  Top Layer w0.254: R35.1@79.908,60.325 80.899,59.334 v1(80.899,58.903) ; v1(81.026,55.651) 82.234,55.651 U9.1@82.35,55.768
  Bottom Layer w0.254: v1@81.004,55.651 v1@81.004,58.903
NetR35_2: R60.2 R68.2 U4.3 | length 6.1
  Top Layer w0.254: R68.2@79.121,17.196 79.146,17.221 v1(80.402,17.221) R60.2@81.658,17.221
  Bottom Layer w0.254: U4.3@77.191,17.93 77.489,17.632 79.897,17.632 80.309,17.221 v1(80.402,17.221)
NetR36_1: R36.2 R90.1 | length 1.8
  Top Layer w0.254: R36.2@37.338,56.688 37.44,56.789 R90.1@37.44,58.425
NetR36_2: R61.2 R69.2 U4.2 | length 6.3
  Top Layer w0.254: R69.2@78.791,19.837 78.842,19.787 v1(80.275,19.787) R61.2@81.709,19.787
  Bottom Layer w0.254: U4.2@77.191,19.03 77.316,19.03 78.072,19.787 v1(80.275,19.787)
NetR37_2: R64.2 R70.2 U4.1 | length 7.1
  Top Layer w0.254: 79.469,22.149 R64.2@81.89,22.149
  Bottom Layer w0.254: U4.1@77.191,20.13 77.316,20.13 79.283,22.098 v1(80.239,22.098) 79.469,22.149
NetR38_2: R63.2 R65.2 U4.8 | length 7.2
  Top Layer w0.254: R65.2@78.971,10.719 79.048,10.795 v1(79.799,10.795) 80.846,11.842 81.531,11.842 R63.2@81.531,12.217
  Bottom Layer w0.254: U4.8@77.191,12.48 77.366,12.48 77.56,12.675 78.486,12.675 79.426,11.735 79.669,11.562 v1(79.799,10.795)
NetR39_1: R39.1 R40.2 | length 2
  Top Layer w0.254: R39.1@30.709,12.395 R40.2@32.69,12.395
NetR39_2: R62.2 R66.2 U4.7 | length 7.3
  Top Layer w0.254: R66.2@78.969,12.395 78.969,12.77 79.342,13.143 79.666,13.143 v1(80.329,13.806) 81.285,13.806 81.658,14.179 R62.2@81.658,14.605
  Bottom Layer w0.254: U4.7@77.191,13.53 77.466,13.806 v1(80.329,13.806)
NetR44_2: R67.2 U4.5 | length 5.1
  Top Layer w0.254: R67.2@78.969,14.681 78.969,14.74 79.342,15.113 v1(80.416,15.113)
  Bottom Layer w0.254: U4.5@77.191,15.73 77.489,15.432 78.708,15.432 79.027,15.113 v1(80.416,15.113)
NetR46_1: 
NetR47_1: 
NetR48_1: 
NetR49_2: R92.2 U9.2 | length 2.5
  Top Layer w0.254: R92.2@80.01,56.542 U9.2@82.549,56.542
NetR50_1: 
NetR50_2: R93.2 U9.3 | length 2.9
  Top Layer w0.254: R93.2@79.937,58.014 80.536,58.014 81.207,57.342 U9.3@82.549,57.342
NetR52_1: R52.1 U12.1 | length 2.7
  Bottom Layer w0.254: R52.1@26.314,30.785 26.454,30.645 26.568,30.531 28.539,30.531 U12.1@28.798,30.79
NetR53_1: R53.1 U12.3 | length 2.9
  Bottom Layer w0.254: R53.1@26.811,36.477 26.811,36.419 26.811,36.027 28.048,34.79 U12.3@28.798,34.79
NetR53_2: 
NetR54_2: R54.2 U12.18 | length 2.6
  Bottom Layer w0.254: U12.18@43.998,38.79 46.456,38.79 R54.2@46.533,38.867
NetR55_2: R55.2 U12.16 | length 4.1
  Top Layer w0.254: v1(41.845,41.947) 42.73,41.947 43.078,42.295 R55.2@43.078,42.52
  Bottom Layer w0.254: v1(41.845,41.947) 41.911,42.013 42.471,42.013 43.248,42.79 U12.16@43.998,42.79
NetR56_1: R56.1 U17.20 | length 3.8
  Top Layer w0.254: U17.20@65.521,26.68 65.53,26.689 65.53,27.811 66.003,28.284 66.003,29.345 66.376,29.718 R56.1@66.751,29.718
NetR57_1: R57.1 U17.29 | length 4.3
  Top Layer w0.254: R57.1@59.309,30.074 59.684,30.074 60.057,29.701 60.057,28.691 60.998,27.749 60.998,26.703 U17.29@61.021,26.68
NetR58_1: R58.1 U17.28 | length 3.5
  Top Layer w0.254: U17.28@61.521,26.68 61.521,28.73 61.76,28.969 R58.1@61.76,30.051
NetR59_1: R59.1 U17.27 | length 4.6
  Top Layer w0.254: U17.27@62.021,26.68 62.001,26.7 62.001,28.199 63.879,30.076 R59.1@64.254,30.076
NetR60_2: 
NetR61_2: 
NetR62_2: 
NetR63_2: 
NetR64_2: 
NetR67_2: 
PA2: U3.44
PA3: U3.43
PA4: U3.36
PA5: U3.35
PA6: U3.34
PA9: U3.30
PA10: U3.29
PA16: U3.19
PA19: U3.13
PA23: U3.15
PA24: U3.23
PB8: C31.1 U3.61 Y2.1 | length 10.1
  Top Layer w0.254: v1(57.302,58.166) 57.353,58.217 Y2.1@59.614,58.217 60.3,58.217 62.85,55.666 U3.61@62.85,53.973
  Bottom Layer w0.254: v1(57.302,58.166) 57.302,58.072 57.376,57.999 57.376,56.868 C31.1@57.729,56.515
PB9: C23.1 U3.62 Y2.2 | length 12.4
  Top Layer w0.254: Y2.2@54.114,58.217 54.458,57.873 54.458,56.537 54.606,56.388 60.754,56.388 62.327,54.814 62.327,53.996 U3.62@62.35,53.973
  Bottom Layer w0.254: C23.1@54.742,56.439 54.768,56.413 v1(55.905,56.413)
PB14: U3.63
PCK2: R59.2 U3.10 | length 23
  Top Layer w0.254: v1(56.007,39.929) 56.007,45.593 57.899,47.485 U3.10@59.362,47.485 ; R59.2@64.254,33.076 64.389,33.211 64.541,33.364 v1(64.541,36.043)
  Bottom Layer w0.254: v1(56.007,39.929) 56.032,39.903 60.681,39.903 v1(64.541,36.043)
RESET: ARM_JTAG.10 RESET.1 U3.39 | length 23.8
  Top Layer w0.254: U3.39@70.838,47.485 77.179,47.485 80.569,44.094 v1(82.245,44.094) ; v1@82.303,44.033 83.243,43.093 ARM_JTAG.10@83.185,43.155
  Bottom Layer w0.254: v1(82.245,44.094) 82.303,44.033 82.303,50.666 82.767,51.13 RESET.1@84.938,51.13
"SD CD": U3.25
"SD MCCDA": R68.1 U3.38 | length 36.9
  Top Layer w0.254: U3.38@70.731,46.99 U3.38@70.782,46.94 ; U3.38@70.838,46.985 70.861,47.008 76.065,47.008 76.388,46.685 v1(76.429,46.685) v1@76.403,46.66 ; R68.1@76.121,17.383 74.117,19.387 74.117,23.571 74.651,24.105 74.651,42.57 76.403,44.323 v1(76.403,45.187)
  Bottom Layer w0.254: v1(76.403,45.187) 76.403,46.66 v1(76.429,46.685)
"SD MCCK": R67.1 U3.41 | length 40.7
  Top Layer w0.254: U3.41@70.838,48.485 70.861,48.508 v1@75.406,48.508 ; v1@75.463,45.288 v1(75.463,45.25) 75.463,45.212 75.397,45.146 75.397,44.358 74.041,43.002 74.041,35.331 74.066,35.331 74.066,24.384 73.584,23.901 73.584,18.745 74.117,18.212 74.117,16.485 74.902,15.7 74.902,15.748 R67.1@75.969,14.681
  Bottom Layer w0.254: v1@75.362,45.39 v1@75.463,45.288 ; v1@75.406,48.508 v1(75.463,48.565) v1@75.463,45.288 ; v1@75.463,45.212 v1(75.463,45.25) v1@75.463,45.288
"SD MCDA0": R66.1 U3.42 | length 42.3
  Top Layer w0.254: U3.42@70.838,48.985 74.418,48.985 v1(74.657,49.13) v1@74.473,48.908 ; v1(74.473,44.552) 73.457,43.536 73.457,24.638 73.076,24.257 73.076,18.517 73.66,17.932 73.66,15.545 74.549,14.656 74.549,13.995 R66.1@75.768,12.776
  Bottom Layer w0.254: v1(74.473,44.552) 74.473,48.908 74.657,49.093 v1(74.657,49.13)
"SD MCDA1": R65.1 U3.52 | length 52.3
  Top Layer w0.254: v1(67.158,51.257) 67.158,52.629 67.35,52.821 U3.52@67.35,53.973 ; v1(73.584,45.491) 73.406,45.339 72.873,45.339 72.873,24.841 72.492,24.46 72.492,18.186 73.177,17.501 73.177,12.979 75.667,10.49 R65.1@76.022,10.49
  Bottom Layer w0.254: v1(67.158,51.257) 67.412,51.308 67.869,50.851 73.635,50.851 73.635,45.542 v1(73.584,45.491)
"SD MCDA2": R70.1 U3.26 | length 28.8
  Top Layer w0.254: U3.26@65.85,42.497 65.873,42.52 65.873,43.338 66.756,44.221 v1(68.072,44.221) ; R70.1@75.818,22.427 75.895,22.504 v1(75.895,36.855)
  Bottom Layer w0.254: v1(68.072,44.221) 75.438,36.855 v1(75.895,36.855)
"SD MCDA3": R69.1 U3.37 | length 34.5
  Top Layer w0.254: U3.37@70.838,46.485 72.337,46.485 72.796,46.025 77.038,46.025 77.038,44.145 75.108,42.215 75.108,23.978 74.625,23.495 74.625,20.676 74.715,20.585 75.418,20.585 75.791,20.212 R69.1@75.791,19.837
"SPI MISO": U3.27
"SPI MOSI": R56.2 U3.22 | length 10.8
  Top Layer w0.254: U3.22@63.85,42.497 63.85,39.883 66.599,37.135 66.599,33.122 R56.2@66.396,32.918
"SPI NPCS0": U3.28
"SPI SPCK": R58.2 U3.21 | length 10.1
  Top Layer w0.254: R58.2@61.76,33.051 62.078,33.369 62.078,34.798 63.35,36.071 U3.21@63.35,42.497
TCK: ARM_JTAG.4 ARM_JTAG.7 R27.1 U3.53 | length 42.5
  Top Layer w0.254: U3.53@66.85,53.973 66.85,57.706 67.234,58.09 71.958,58.09 76.606,53.442 76.606,51.537 80.823,47.32 82.245,47.32 84.818,44.748 84.818,39.374 ; ARM_JTAG.4@83.185,39.345 83.21,39.37 84.818,39.37 84.818,39.374 ; 84.76,39.432 84.818,39.374 ; 84.919,41.71 86.911,41.71 ARM_JTAG.7@87.085,41.885 ; R27.1@86.258,35.458 86.033,35.458 85.685,35.806 85.685,36.031 84.938,36.779 84.938,39.254 84.818,39.374
TDI: ARM_JTAG.8 R29.1 U3.33 | length 20.9
  Top Layer w0.254: U3.33@70.838,44.485 71.224,44.485 71.247,44.462 v1@71.247,44.018 ; R29.1@79.604,35.565 79.733,35.435 79.908,35.26 80.188,35.26 80.012,35.435 80.035,35.458 79.896,35.598 79.807,35.687 79.87,35.75 v1@79.87,40.767 ; v1(79.807,40.767) v1@79.87,40.767 ; ARM_JTAG.8@83.185,41.885 83.127,41.946 83.102,41.972 81.139,41.972 79.934,40.767 v1@79.87,40.767
  Bottom Layer w0.254: v1@71.323,43.815 76.759,43.815 v1(79.807,40.767)
  other v1: 71.272,43.764
TDO: ARM_JTAG.6 R28.1 U3.49 | length 31.2
  Top Layer w0.254: U3.49@68.85,53.973 68.85,54.56 69.535,55.245 72.238,55.245 74.549,52.934 74.549,51.283 80.086,45.745 80.543,45.745 v1(80.67,45.669) ; R28.1@81.839,35.479 81.614,35.479 81.266,35.827 81.266,36.052 80.67,36.647 v1(80.67,40.03) 80.728,39.969 81.374,40.615 ARM_JTAG.6@83.185,40.615
  Bottom Layer w0.254: v1(80.67,40.03) v1(80.67,45.669)
TGND: J2.2 R17.2 U7.1 | length 52.3
  Top Layer w0.762: U7.1@3.277,3.961 6.044,1.194 40.005,1.194 45.745,1.194 48.539,3.988 J2.2@48.539,5.029
  Bottom Layer w0.254: J2.2@48.539,5.029 J2.2@48.692,5.182 50.127,3.747 50.127,2.761 R17.2@50.475,2.413
TMS: ARM_JTAG.2 R26.1 U3.51 | length 35.6
  Top Layer w0.254: U3.51@67.85,53.973 67.85,56.801 68.605,57.556 71.272,57.556 75.921,52.908 75.921,51.156 80.543,46.533 v1(81.407,46.533) ; v1(81.471,38.136) 81.528,38.075 ARM_JTAG.2@83.185,38.075 83.187,38.077 83.501,37.763 83.501,35.806 83.849,35.458 R26.1@84.074,35.458
  Bottom Layer w0.254: v1@81.382,46.533 v1(81.407,46.533) 81.471,46.533 v1(81.471,38.136)
"UART URXD0": 
"UART URXD1": RX-TX.1 U3.5 U12.22 | length 27.8
  Top Layer w0.254: v1(53.645,47.422) 56.208,49.985 U3.5@59.362,49.985
  Bottom Layer w0.254: U12.22@43.998,30.79 44.748,30.79 50.622,36.664 50.622,42.494 53.645,45.517 v1(53.645,47.422)
"UART UTXD0": 
"UART UTXD1": RX-TX.2 U3.6 U12.21 | length 26
  Top Layer w0.254: v1(52.4,45.466) 52.68,45.466 56.698,49.485 U3.6@59.362,49.485
  Bottom Layer w0.254: U12.21@43.998,32.79 45.617,32.79 49.936,37.109 49.936,43.002 v1(52.4,45.466) v1@52.68,45.466
"USB DDM": R92.1 U3.56 | length 19.2
  Top Layer w0.254: U3.56@65.35,53.973 65.327,53.996 65.327,58.799 65.964,59.436 74.244,59.436 77.622,56.058 R92.1@78.062,56.058
"USB DDP": R93.1 U3.57 | length 19.5
  Top Layer w0.254: U3.57@64.85,53.973 64.827,53.996 64.827,59.442 65.481,60.096 75.819,60.096 77.739,58.176 R93.1@77.754,58.191
"USB VBUS": R35.2@77.754,60.35 R91.1 SS.1 U3.59 | length 23.6
  Top Layer w0.254: U3.59@63.876,54.354 63.876,59.38 65.151,60.655 v1(76.657,60.655) 77.678,60.655 77.988,60.345 77.892,60.249 77.94,60.249 R35.2@78.008,60.325
  Bottom Layer w0.254: v1(76.657,60.655) 77.993,60.655 R91.1@78.105,60.543 78.105,58.635 SS.1@78.057,58.587
pads on no net: U2.1 U2.7 U4.12 U4.13 U9.4 U12.2 U12.4 U12.5 U12.6 U12.7 U12.9 U12.10 U12.11 U12.12 U12.13 U12.14 U12.17 U12.19 U12.20 U17.12 U17.13 U17.14 U17.15 U17.16 U17.17 U17.18 U17.19 U17.33 U17.45 U17.46 U17.47 U17.48 U17.49 U17.50 U17.51 U17.52 U17.55
copper on no net:
  other v2: 60.274,17.983 63.271,17.983 66.269,17.983 60.274,20.98 63.271,20.98 66.269,20.98 60.274,23.978 63.271,23.978 66.269,23.978

## Polygon pours and split planes (outlines as drawn)
DGND on Bottom Layer "Bottom Layer-DGND" (solid, pour order 4): 1.905,67.92
DGND on Bottom Layer "Bottom Layer-DGND 1" (solid, pour order 2): 17.247,72.288
GND on Bottom Layer "Bottom Layer-GND" (solid, pour order 10): -5.563,52.959

## Other copper
Top Layer:
  region net NetC24_23: 62.461,46.891 64.85,44.502 66.319,45.971 66.319,49.403 64.85,49.403
  region net NetC16_23: 61.29,49.129 61.29,48.971 61.85,48.411 62.306,48.867 62.306,49.161
  region net NetC16_23: 61.849,47.549 62.713,47.549 64.999,49.987 64.999,51.791 64.338,53.111 64.419,51.592 61.849,49.022
Bottom Layer:
  region: 48.463,12.979
  region: 0.051,70.409

## Silkscreen, mask and mechanical layers (free items; w line width, h text height)
Top Overlay:
  text "+5V wifi" at 3.023,55.626 h0.8
  text "+3V wifi" at 12.37,55.55 h0.8
  text "+12V" at 2.362,51.613 h0.8
  text "+5V" at 37.211,44.069 h0.8 r90
  text "+3V" at 37.389,27.94 h0.8 r90
  text "AC220" at 29.972,2.769 h0.8
  text "TGND" at 29.921,0.711 h0.8
Bottom Overlay:
  text "+1.5V" at 36.906,61.316 h0.8
  text "+1.8V" at 66.675,33.833 h0.8 r90
  text "+1.5V" at 37.414,16.688 h0.8 r90

## Text inside footprints (layer, text, board x,y; h text height)
SS: Bottom Overlay "C80" at 76.556,59.03 h0.8 r90